# Altium PCB orbital-r1.PcbDoc (part 2 of 3) (continued)
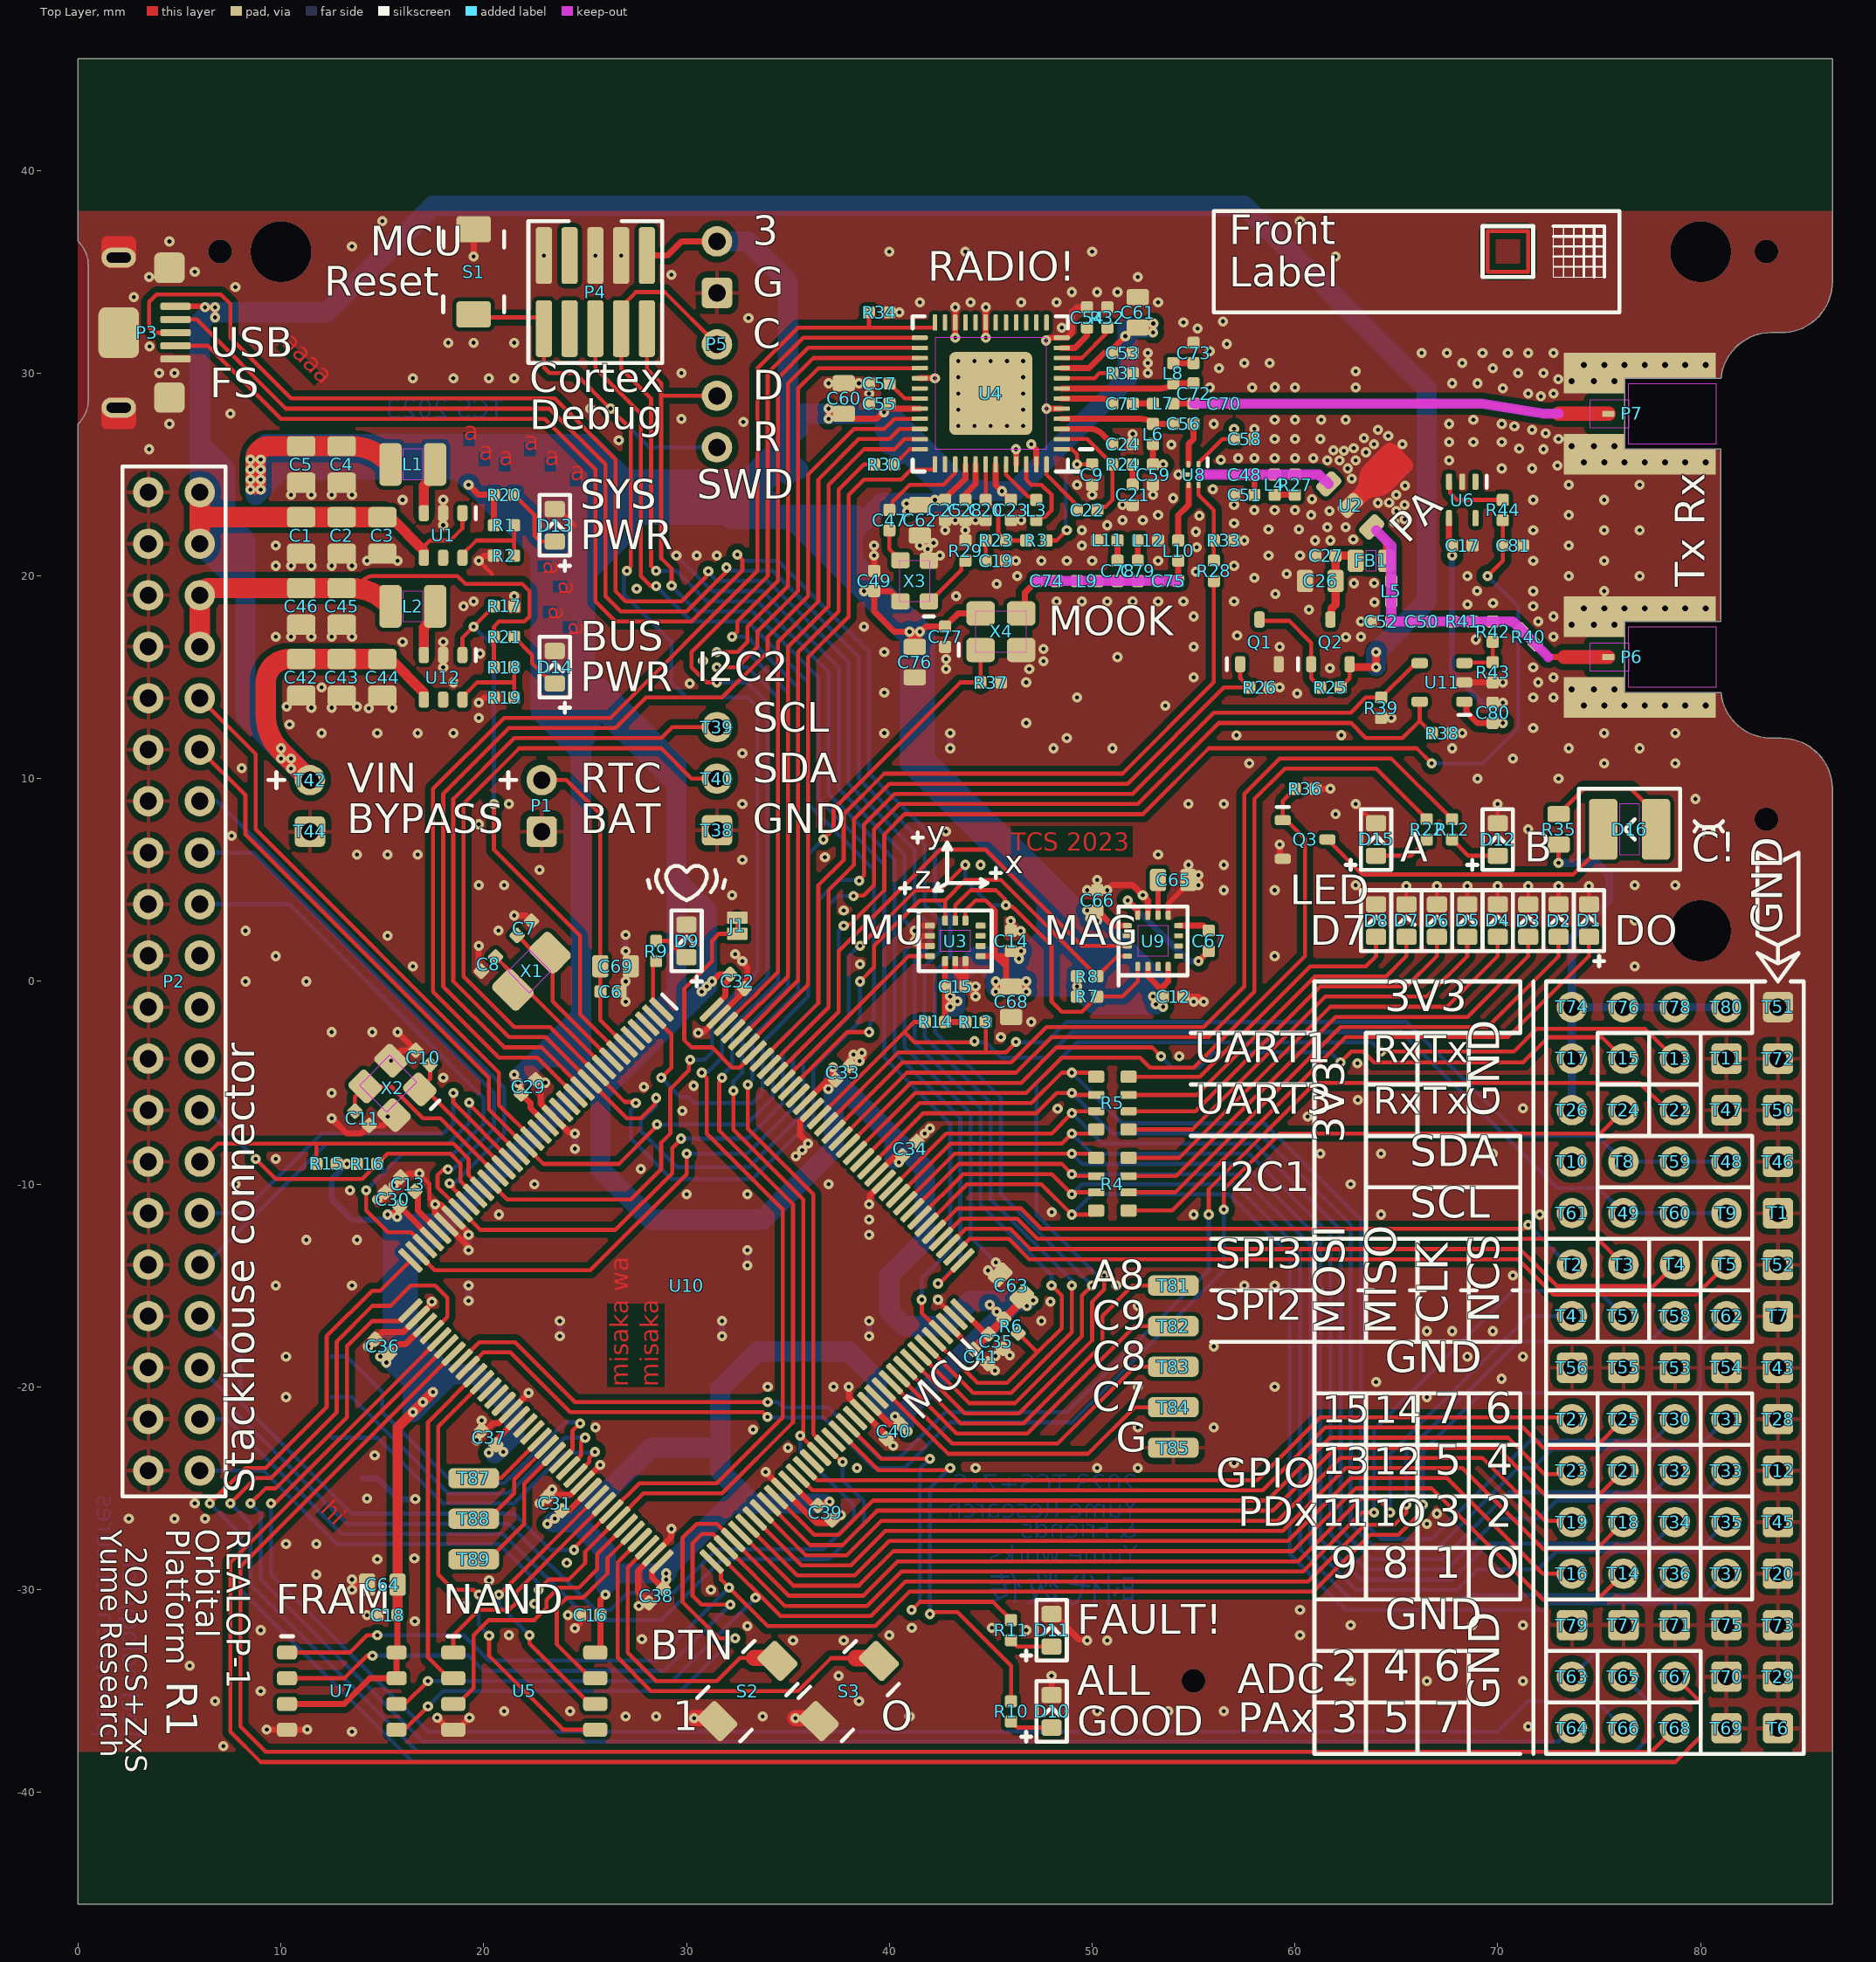
[diagram p0: Top Layer view]
## Nets (pads, with @x,y where several pads share a name; then routed paths per layer and width w, separated by ;. In a path a pad name is that pad's centre, name@x,y a point inside that pad or via, vN(x,y) a via of type N, cw(c..) or ccw(c..) an arc to the next point about the centre after c; other vN are vias at no path point) (continued)
GPIO-D6: R5.6 T31.1 U10.122 | length 65.6
  Top Layer w0.2: U10.122@39.016,-9.166 41.682,-6.5 47.25,-6.5 48.25,-5.5 v1(49,-5.5) 49.1,-5.6 R5.6@50.2,-5.6
  Bottom Layer w0.2: v1(49,-5.5) 51,-7.5 58.25,-7.5 62.75,-12 62.75,-25.25 62.75,-26.75 64,-28 67,-28 67.25,-27.75 71,-24 71.75,-24 72.7,-23.05 79.82,-23.05 T31.1@81.28,-21.59
GPIO-D7: R5.5 T30.1 U10.123 | length 63.8
  Top Layer w0.2: U10.123@38.662,-8.813 41.475,-6 47,-6 48.5,-4.5 v1(49,-4.5) 50,-4.5 R5.5@50.2,-4.7
  Bottom Layer w0.2: v1(49,-4.5) 51.5,-7 58.5,-7 63.25,-11.75 63.25,-26.5 64.25,-27.5 66.75,-27.5 71.6,-22.65 77.68,-22.65 T30.1@78.74,-21.59
GPIO-D8: T14.1 U10.77 | length 49.4
  Top Layer w0.2: U10.77@32.652,-27.198 35.254,-29.8 38.5,-29.8 40.2,-28.1 59.9,-28.1 63,-25 66.75,-25 72.25,-30.5 74.91,-30.5 75.61,-29.8 T14.1@76.2,-29.21
GPIO-D9: T16.1 U10.78 | length 45.6
  Top Layer w0.2: U10.78@33.005,-26.844 35.461,-29.3 38.3,-29.3 40,-27.6 59.65,-27.6 62.75,-24.5 67.5,-24.5 72.21,-29.21 T16.1@73.66,-29.21
GPIO-D10: T18.1 U10.79 | length 48
  Top Layer w0.2: U10.79@33.359,-26.49 35.668,-28.8 38.1,-28.8 39.8,-27.1 59.4,-27.1 62.5,-24 68.25,-24 72.25,-28 74.87,-28 T18.1@76.2,-26.67
GPIO-D11: T19.1 U10.80 | length 44.1
  Top Layer w0.2: U10.80@33.712,-26.137 35.875,-28.3 37.9,-28.3 39.6,-26.6 59.15,-26.6 62.25,-23.5 69.25,-23.5 72.35,-26.6 73.59,-26.6 T19.1@73.66,-26.67
GPIO-D12: T21.1 U10.81 | length 46.5
  Top Layer w0.2: U10.81@34.066,-25.783 36.082,-27.8 37.7,-27.8 39.4,-26.1 58.9,-26.1 62,-23 70,-23 72.4,-25.4 74.93,-25.4 T21.1@76.2,-24.13
GPIO-D13: T23.1 U10.82 | length 42.8
  Top Layer w0.2: U10.82@34.419,-25.43 36.29,-27.3 37.5,-27.3 39.2,-25.6 58.65,-25.6 61.75,-22.5 70.5,-22.5 72.3,-24.3 73.49,-24.3 T23.1@73.66,-24.13
GPIO-D14: T25.1 U10.85 | length 43.3
  Top Layer w0.2: U10.85@35.48,-24.369 36.211,-25.1 58.4,-25.1 61.5,-22 71.25,-22 72.25,-23 74.79,-23 T25.1@76.2,-21.59
GPIO-D15: T27.1 U10.86 | length 39.4
  Top Layer w0.2: U10.86@35.834,-24.016 36.418,-24.6 58.15,-24.6 61.25,-21.5 73.57,-21.5 T27.1@73.66,-21.59
GPIO-FAULT: R11.1 U10.92 | length 18
  Top Layer w0.2: U10.92@37.955,-21.894 39.611,-23.55 v1(42,-23.55) ; v1(41.1,-31) 41.117,-31 41.517,-30.6 45.1,-30.6 R11.1@46,-31.5
  Bottom Layer w0.2: v1(41.1,-31) 41.5,-30.6 41.5,-24.05 v1(42,-23.55)
GPIO-HEARTBEAT: R9.1 U10.1 | length 2.6
  Top Layer w0.2: R9.1@28.5,1 28.348,0.848 28.348,-0.973 U10.1@28.763,-1.388
GPIO-LEDA: R22.1 U10.126 | length 43.1
  Top Layer w0.2: U10.126@37.601,-7.752 40.854,-4.5 46.25,-4.5 48,-2.75 55.75,-2.75 58,-0.5 58,9 59.5,10.5 64,10.5 R22.1@66.5,8
GPIO-LEDB: R12.1 U10.127 | length 44.9
  Top Layer w0.2: U10.127@37.248,-7.399 40.646,-4 46,-4 47.75,-2.25 55.5,-2.25 57.5,-0.25 57.5,9.25 59.25,11 64.75,11 R12.1@67.75,8
GPIO-LEDC: Q3.1 R36.1 U10.124 | length 35.3
  Top Layer w0.2: U10.124@38.308,-8.459 41.268,-5.5 46.75,-5.5 48.5,-3.75 52.35,-3.75 52.85,-4.25 55,-4.25 60.5,1.25 60.5,7.028 Q3.1@59.706,7.822 ; Q3.1@59.4,7.95 59.4,8.9 R36.1@60,9.5
GPIO-VIN: C1.2 C2.2 C3.2 C42.2 C43.2 C44.2 P2.1 P2.3 P3.1 Q2.2 R25.1 T42.1 U1.1 U1.4 U12.4 | length 158
  Top Layer w0.2: U1.4@17.05,20.9 17.05,21.25 17.05,21.45 17.35,21.75 18.35,21.75 18.95,22.35 U1.1@18.95,23.1 ; R25.1@62.25,14.5 62.7,14.95 62.7,15.55 Q2.2@62.7,15.65
  Top Layer w0.3: P3.1@4.8,33.301 6.199,33.301 v1(6.25,33.25) v1(6.75,33.25) v1(6.75,32.75)
  Top Layer w0.4: Q2.2@62.7,15.55 62.75,15.5 v1(64,15.5) v1(64,16.25)
  Top Layer w0.5: C3.2@15,22.9 15.4,22.9 U1.4@17.05,21.25 ; C44.2@15.4,15.9 U12.4@17.05,14.25
  Top Layer w1: P2.3@6,21.59 6,22.9 ; P2.1@6,24.13 6,22.9 ; T42.1@11.43,9.93 10.18,11.18 9.994,11.366 cw(c11.79,13.162) 9.25,13.162 9.25,14.75 cw(c10.4,14.75) 10.4,15.9 C42.2@11,15.9 C44.2@15,15.9 ; C3.2@15,22.9 C2.2@13,22.9 C1.2@11,22.9 6,22.9
  Bottom Layer w1: T42.1@11.43,9.93 10.68,10.68 8.25,13.11 8.25,19.34 ; v1@64,15.549 v1(64,16.25) 66.5,18.75 66.5,29.25 57.5,38.25 17.5,38.25 12.25,33 6.5,33 6,32.5 6,26.5 ; 6,26.5 6.875,25.625 ; 6,26.5 P2.1@6,24.13 P2.3@6,21.59 8.25,19.34 ; 6.875,25.625 6.875,21.875 8.25,20.5 ; 6.875,25.625 7.25,25.25 7.25,22.75 8.25,21.75 8.25,20.5 ; 8.25,19.34 8.25,20.5
  other v1: 10.5,10.5 10,11 10.5,11 10,11.5
I2C1-SCL: R14.2 T9.1 T49.1 T60.1 U10.129 | length 52.5
  Top Layer w0.2: U10.129@36.541,-6.691 40.741,-2.491 ; R14.2@41.75,-2 41.232,-2 40.741,-2.491 ; v1(44.2,-2.95) 44.2,-3 41.25,-3 40.741,-2.491
  Bottom Layer w0.2: v1(44.2,-2.95) 44.25,-3 44.75,-3 45.5,-3.75 47.75,-3.75 49,-2.5 65.25,-2.5 72.95,-10.2 74.97,-10.2 T49.1@76.2,-11.43 T60.1@78.74,-11.43 T9.1@81.28,-11.43
I2C1-SDA: R13.2 T8.1 T48.1 T59.1 U10.128 | length 50.9
  Top Layer w0.2: U10.128@36.894,-7.045 40.439,-3.5 44.75,-3.5 ; R13.2@44.75,-2 44.75,-3.5 ; v1(46.236,-2.986) 46.25,-3 45.75,-3.5 44.75,-3.5
  Bottom Layer w0.2: v1(46.236,-2.986) 46.25,-3 47.75,-3 48.75,-2 65.5,-2 71.1,-7.6 74.91,-7.6 T8.1@76.2,-8.89 T59.1@78.74,-8.89 T48.1@81.28,-8.89
I2C2-SCL: R7.2 T39.1 U3.13 U9.1 U10.11 | length 83.8
  Top Layer w0.2: v1(28.5,-5.75) 28.443,-5.807 28.443,-6.057 27.75,-6.75 27.053,-6.75 U10.11@25.227,-4.924 23.053,-2.75 21.25,-2.75 18.5,0 18.5,9 21.5,12 28.75,12 29.29,12.54 T39.1@31.5,12.54 ; v1(38.55,1.75) 41.3,4.5 42.5,4.5 v1(43.75,5.75) ; U3.13@43.25,3 43.25,3.75 44,4.5 45.25,4.5 45.693,4.057 45.693,3.807 45.807,3.693 46.057,3.693 46.214,3.536 48,1.75 48,-1 48.5,-1.5 49.5,-1.5 R7.2@50.25,-0.75 51.5,-0.75 52.25,0 U9.1@52.25,0.737
  Bottom Layer w0.2: v1(28.5,-5.75) 28.493,-5.757 28.493,-6.121 27.75,-6.863 27.75,-7.381 29.527,-9.158 33.092,-9.158 35.75,-6.5 35.75,-4 38,-1.75 38,1.25 38.5,1.75 v1(38.55,1.75) ; v1(43.75,5.75) 43.75,5 44.445,4.305 45,3.75 v1(45.75,3.75)
I2C2-SDA: R8.2 T40.1 U3.14 U9.16 U10.10 | length 73.8
  Top Layer w0.2: v1(27.5,-6) 27.443,-5.943 26.953,-5.943 U10.10@25.581,-4.57 23.26,-2.25 21.5,-2.25 19,0.25 19,8.75 21.75,11.5 28.75,11.5 30.25,10 T40.1@31.5,10 ; v1(38.55,0) 39.25,0.7 39.25,1.75 41.5,4 42.75,4 ; U3.14@42.75,3 42.75,4 ; U9.16@51.737,1.25 51.25,1.25 R8.2@50.25,0.25 45.5,5 43.75,5 42.75,4
  Bottom Layer w0.2: v1@27.55,-6.05 v1(27.5,-6) 27.5,-6.081 27.25,-6.331 27.25,-7.75 29.25,-9.75 33.25,-9.75 36.25,-6.75 36.25,-4.25 38.55,-1.95 v1(38.55,0)
I2C3-SCL: P2.27 R15.2 U10.26 | length 16.7
  Top Layer w0.2: P2.27@6,-8.89 6.89,-8 11.75,-8 ; R15.2@11.75,-9 11.75,-8 ; U10.26@19.924,-10.227 19.25,-9.553 19.25,-8.75 18.5,-8 11.75,-8
I2C3-SDA: P2.25 R16.2 U10.27 | length 16.9
  Top Layer w0.2: v1(8.75,-8.75) 9.75,-9.75 14,-9.75 R16.2@14.75,-9 15.25,-8.5 18.35,-8.5 18.85,-9 18.85,-9.86 U10.27@19.57,-10.581
  Bottom Layer w0.2: P2.25@6,-6.35 6.35,-6.35 v1(8.75,-8.75)
IBUS-INT0: P2.29 U10.22 | length 20.3
  Top Layer w0.2: v1(18.5,-5.5) 18.5,-5.975 U10.22@21.338,-8.813
  Bottom Layer w0.2: P2.29@6,-11.43 8.07,-11.43 12,-7.5 18,-7.5 18.5,-7 v1(18.5,-5.5)
IMU-INT0: U3.4 U10.134 | length 9.8
  Top Layer w0.2: U10.134@34.773,-4.924 38.5,-1.197 40.947,1.25 U3.4@42,1.25
MAG-DRDY: U9.15 U10.135 | length 25.6
  Top Layer w0.2: U10.135@34.419,-4.57 37.5,-1.49 37.5,1.5 42.5,6.5 44.75,6.5 49.5,1.75 U9.15@51.737,1.75
MCUDBG-CLK: P4.9 P5.3 U10.109 | length 65.4
  Top Layer w0.2: v1(28.5,20.25) 28.25,20.5 28.25,28.75 26.77,30.23 P4.9@26.77,32.2 26.77,33.27 27.5,34 28.92,34 P5.3@31.5,31.42 ; v1(42.4,-14.9) 42.474,-14.9 U10.109@43.612,-13.763
  Bottom Layer w0.2: v1(28.5,20.25) 29.5,20.25 31,18.75 33.5,18.75 37,15.25 37,9.25 40.25,6 40.25,-3.5 43.5,-6.75 43.5,-13.8 v1(42.4,-14.9)
MCUDBG-DIO: P4.10 P5.4 U10.105 | length 61
  Top Layer w0.2: P4.10@28.04,32.2 28.04,30.21 28.75,29.5 28.75,28.88 ; v1(29.264,19.514) 29.264,20.351 28.75,20.865 28.75,28.88 ; P5.4@31.5,28.88 28.75,28.88 ; v1(41.6,-15.7) 41.6,-16.347 U10.105@42.551,-17.298
  Bottom Layer w0.2: v1(29.264,19.514) 29.25,19.5 30.5,18.25 33.25,18.25 36.5,15 36.5,9 39.75,5.75 39.75,-3.75 43,-7 43,-13.25 41.6,-14.65 v1(41.6,-15.7)
MCUDBG-NRST: P4.6 P5.5 S1.2 U10.25 | length 70.4
  Top Layer w0.2: S1.2@19.5,32.9 19.65,32.75 P4.6@23,32.75 ; U10.25@20.277,-9.873 21.154,-10.75 27.25,-10.75 28.75,-9.25 28.75,-7.947 29.202,-7.495 29.202,-6.73 29.2,-6.728 29.2,-6.272 29.202,-6.27 29.202,-5.297 30.117,-4.382 30.117,-3.919 v1(30.175,-3.861) ; P4.6@22.96,32.2 22.96,30.29 23.25,30 24.5,30 v1(26.25,28.25) 27.25,27.25 27.25,20.45 v1(27.05,20.25) ; P5.5@31.5,26.34 P5.5@31.91,26.34
  Bottom Layer w0.2: v1(26.25,28.25) 28.16,26.34 P5.5@31.5,26.34 ; v1(27.05,20.25) 27.05,20.169 26.901,20.02 26.901,19.099 29.25,16.75 29.25,14.75 30,14 33,14 33.493,13.507 33.493,0.493 31.25,-1.75 31.25,-3.5 30.889,-3.861 v1(30.175,-3.861)
MCUDBG-SWO: P4.8 U10.133 | length 47.3
  Top Layer w0.2: P4.8@25.5,32.2 25.5,30.25 27.75,28 27.75,20 28.25,19.5 v1(28.5,19.5) ; U10.133@35.127,-5.277 37.904,-2.5 v1(39,-2.5)
  Bottom Layer w0.2: v1(28.5,19.5) 30.25,17.75 33,17.75 36,14.75 36,8.75 39.25,5.5 39.25,-1.85 39.057,-2.043 39.057,-2.443 v1(39,-2.5)
NetC6_2: C6.2 C69.2 P1.1 U10.6 | length 15.5
  Top Layer w0.2: P1.1@22.86,9.93 24.07,9.93 25.75,8.25 C69.2@25.75,0.75 C6.2@25.75,-0.5 25.75,-1.911 U10.6@26.995,-3.156
NetC7_2: C7.2 U10.8 X1.1 | length 7.7
  Top Layer w0.2: C7.2@21.646,2.268 22.495,1.419 X1.1@23.273,1.419 ; X1.1@23.398,0.662 23.398,-0.973 U10.8@26.288,-3.863
NetC8_2: C8.2 U10.9 X1.2 | length 8.1
  Top Layer w0.2: C8.2@20.586,1.207 21.434,0.359 X1.2@21.434,-0.419 22.137,-0.419 U10.9@25.934,-4.217
NetC9_1: C9.1 R3.1 U4.1 | length 6.8
  Top Layer w0.2: R3.1@47.75,21.75 48.25,21.75 v1(48.75,22.25) ; U4.1@48.5,26.25 49,26.25 49.25,26 v1(49.25,25.5) C9.1@50,25.5
  Bottom Layer w0.2: v1(48.75,22.25) 48.7,22.3 48.7,24.978 49.222,25.5 v1(49.25,25.5)
NetC10_2: C10.2 U10.23 X2.1 | length 7.2
  Top Layer w0.2: C10.2@17.354,-4.104 17.354,-4.811 X2.1@16.844,-5.321 17.139,-5.321 U10.23@20.984,-9.166
NetC11_2: C11.2 U10.24 X2.3 | length 9.7
  Top Layer w0.2: C11.2@13.646,-6.396 13.646,-5.689 X2.3@14.156,-5.179 15.429,-5.179 17,-6.75 17.861,-6.75 U10.24@20.631,-9.52
NetC13_1: C13.1 U10.32 | length 2.5
  Top Layer w0.2: C13.1@16.604,-10.354 16.677,-10.427 C13.1@16.75,-10.5
  Top Layer w0.3: C13.1@16.75,-10.5 16.75,-11.296 U10.32@17.802,-12.348
NetC19_1: C19.1 R23.1 | length 1
  Top Layer w0.2: C19.1@44.75,20.75 R23.1@44.75,21.75
NetC20_1: C20.1 R3.2 R23.2 U4.42 | length 5.2
  Top Layer w0.2: U4.42@44.75,25.5 C20.1@44.75,23.75 45.369,23.131 45.369,22.131 R23.2@45.75,21.75 R3.2@46.75,21.75
NetC21_1: C21.1 R24.1 | length 1
  Top Layer w0.3: C21.1@52,24.5 R24.1@52,25.5
NetC22_1: C22.1 U4.48 | length 2.9
  Top Layer w0.2: U4.48@47.75,25.5 47.751,25.499 47.751,24.999 49.094,23.656 49.094,23.406 C22.1@49.25,23.25
NetC22_2: C22.2 R24.2 U4.2 | length 5.7
  Top Layer w0.2: U4.2@48.5,26.75 49.75,26.75 R24.2@51,25.5 51,23.75 50.656,23.406 50.406,23.406 C22.2@50.25,23.25
NetC24_1: C24.1 U4.3 | length 2.8
  Top Layer w0.3: U4.3@48.5,27.25 49.896,27.25 cw(c49.896,26.396) 50.5,27 C24.1@51,26.5
NetC26_2: C26.2 C27.2 FB1.2 Q2.3 | length 4.4
  Top Layer w0.4: Q2.3@61.75,17.85 61.8,17.9 61.8,18.4 62,18.6 C26.2@62,19.75 C27.2@62,21 62.8,21 63,20.8 FB1.2@63,20.75
NetC28_2: C28.2 U4.41 | length 1.7
  Top Layer w0.3: C28.2@43.747,24.039 44.25,24.541 U4.41@44.25,25.5
NetC47_1: C47.1 U4.39 | length 4.7
  Top Layer w0.2: C47.1@40,23.132 40.156,23.288 40.156,23.656 41,24.5 42.667,24.5 43.24,25.073 43.24,25.49 U4.39@43.25,25.5
NetC47_2: C47.2 X3.3 | length 1.6
  Top Layer w0.2: C47.2@40,22.123 40,21.325 40.2,21.125 40.2,21.097 40.522,20.775 X3.3@40.55,20.775
NetC48_1: C48.1 U8.6 | length 1.3
  Top Layer w0.3: 55.75,25 C48.1@57,25
NetC48_2: C48.2 C51.1 L4.2 | length 2
  Top Layer w0.3: C51.1@58,24 C48.2@58,25 L4.2@59,25
NetC50_1: C50.1 C52.1 L5.1 | length 2
  Top Layer w0.3: L5.1@64.75,18.75 C52.1@64.75,17.75 C50.1@65.75,17.75
NetC50_2: C50.2 R41.1 | length 1
  Top Layer w0.3: C50.2@66.75,17.75 R41.1@67.75,17.75
NetC54_2: C54.2 U4.11 | length 1.9
  Top Layer w0.3: U4.11@48.5,31.25 49.15,31.25 49.75,31.85 C54.2@49.75,32.25
NetC56_1: C56.1 L6.1 U4.4 | length 5.8
  Top Layer w0.3: U4.4@48.5,27.75 52.396,27.75 cw(c52.396,26.896) L6.1@53,27.5 ; L6.1@52.85,27.65 L6.1@53,27.5 ; C56.1@54,27.5 L6.1@53,27.5
NetC56_2: C56.2 U8.2 | length 2.1
  Top Layer w0.3: U8.2@54.75,25.5 54.75,26.5 55,26.75 C56.2@55,27.5
NetC57_2: C57.2 U4.31 | length 1.8
  Top Layer w0.2: C57.2@40,29.5 40.75,28.75 U4.31@41.5,28.75
NetC65_1: C65.1 U9.10 | length 1.7
  Top Layer w0.25: U9.10@53.25,3.263 C65.1@53.25,5
NetC67_1: C67.1 U9.12 | length 6.4
  Top Layer w0.3: v1(51.75,4) 52.25,3.5 U9.12@52.25,3.263 ; v1(55.25,1) C67.1@55.75,1.5
  Bottom Layer w0.3: v1(51.75,4) 54.75,1 v1(55.25,1)
NetC67_2: C67.2 U9.8 | length 1.6
  Top Layer w0.3: U9.8@54.263,2.75 55.5,2.75 C67.2@55.75,2.5
NetC70_1: C70.1 P7.1 | length 18.7
  Top Layer w0.3: C70.1@57,28.5 69.225,28.5 cw(c69.225,28.2) 69.274,28.496 72.226,28.004 ; 72.275,28 cw(c72.275,28.3) 72.226,28.004 ; 73,28 73,28.004 72.226,28.004 ; P7.1@75.3,28 P7.1@75.45,28
  Top Layer w0.7: 73,28 P7.1@75.475,28
NetC70_2: C70.2 C72.1 L7.2 | length 2
  Top Layer w0.3: L7.2@54,28.5 54.85,28.5 C72.1@55,28.5 55.15,28.5 C70.2@56,28.5
NetC71_1: C71.1 L7.1 | length 1
  Top Layer w0.3: C71.1@52,28.5 L7.1@53,28.5
NetC71_2: C71.2 U4.6 | length 2.6
  Top Layer w0.3: U4.6@48.5,28.75 50.396,28.75 cw(c50.396,27.896) C71.2@51,28.5
NetC72_2: C72.2 L8.2 U4.7 | length 6.6
  Top Layer w0.3: U4.7@48.5,29.25 53.396,29.25 ccw(c53.396,30.104) L8.2@54,29.5 54.15,29.5 C72.2@55,29.5
NetC73_2: C73.2 L8.1 | length 1
  Top Layer w0.3: L8.1@54,30.5 C73.2@55,30.5
NetC74_1: C74.1 L9.1 | length 1
  Top Layer w0.3: C74.1@48.25,19.75 L9.1@49.25,19.75
NetC74_2: C74.2 X4.3 | length 1.9
  Top Layer w0.3: X4.3@46.5,18.15 46.676,18.326 46.676,19.176 C74.2@47.25,19.75
NetC75_1: C75.1 L10.1 | length 1
  Top Layer w0.3: C75.1@54.25,19.75 L10.1@54.25,20.75
NetC75_2: C75.2 C78.1 C79.1 L9.2 | length 3
  Top Layer w0.3: L9.2@50.25,19.75 C75.2@53.25,19.75
NetC78_2: C78.2 L11.2 | length 1
  Top Layer w0.3: C78.2@51.25,20.75 L11.2@51.25,21.75
NetC79_2: C79.2 L12.2 | length 1
  Top Layer w0.3: C79.2@52.25,20.75 L12.2@52.25,21.75
NetD1_2: D1.2 R4.1 | length 28.8
  Top Layer w0.2: R4.1@51.8,-11.3 53.95,-11.3 62.5,-2.75 70.5,-2.75 74.5,1.25 D1.2@74.5,2.2
NetD2_2: D2.2 R4.2 | length 27
  Top Layer w0.2: R4.2@51.8,-10.4 54.1,-10.4 62.25,-2.25 69.5,-2.25 73,1.25 D2.2@73,2.2
NetD3_2: D3.2 R4.3 | length 25.1
  Top Layer w0.2: R4.3@51.8,-9.6 54.15,-9.6 62,-1.75 68.5,-1.75 71.5,1.25 D3.2@71.5,2.2
NetD4_2: D4.2 R4.4 | length 23.3
  Top Layer w0.2: R4.4@51.8,-8.7 54.3,-8.7 61.75,-1.25 67.5,-1.25 70,1.25 D4.2@70,2.2
NetD5_2: D5.2 R5.1 | length 21.2
  Top Layer w0.2: R5.1@51.8,-7.3 54.95,-7.3 61.5,-0.75 66.5,-0.75 68.5,1.25 D5.2@68.5,2.2
NetD6_2: D6.2 R5.2 | length 19.3
  Top Layer w0.2: R5.2@51.8,-6.4 55.1,-6.4 61.25,-0.25 65.5,-0.25 67,1.25 D6.2@67,2.2
NetD7_2: D7.2 R5.3 | length 17.5
  Top Layer w0.2: R5.3@51.8,-5.6 55.15,-5.6 61,0.25 64.5,0.25 65.5,1.25 D7.2@65.5,2.2
NetD8_2: D8.2 R5.4 | length 15.6
  Top Layer w0.2: R5.4@51.8,-4.7 55.3,-4.7 60.75,0.75 63.5,0.75 64,1.25 D8.2@64,2.2
NetD9_2: D9.2 R9.2 | length 1.8
  Top Layer w0.2: R9.2@28.5,2 29.099,2 29.899,1.2 D9.2@30,1.2
NetD10_2: D10.2 R10.2 | length 2.1
  Top Layer w0.2: R10.2@46,-36.5 46.3,-36.8 D10.2@48,-36.8
NetD11_2: D11.2 R11.2 | length 2.1
  Top Layer w0.2: R11.2@46,-32.5 46.3,-32.8 D11.2@48,-32.8
NetD12_2: D12.2 R12.2 | length 3
  Top Layer w0.2: R12.2@67.75,7 68.55,6.2 D12.2@70,6.2 D12.2@69.7,6.5
NetD13_2: D13.2 R20.2 | length 3.5
  Top Layer w0.2: R20.2@21.5,24 22.5,23 22.5,22 22.8,21.7 D13.2@23.5,21.7
NetD14_2: D14.2 R21.2 | length 3.2
  Top Layer w0.2: R21.2@21.5,16.988 22.389,16.1 22.389,15.697 23.386,14.7 D14.2@23.5,14.7
NetD15_2: D15.2 R22.2 | length 2.8
  Top Layer w0.2: D15.2@64,6.2 65.7,6.2 R22.2@66.5,7
NetD16_1: D16.1 Q3.3 | length 14.2
  Top Layer w0.2: Q3.3@61.6,7 63.323,5.277 73.726,5.277 D16.1@74.712,6.263
NetD16_2: D16.2 R35.1 | length 5
  Top Layer w0.2: R35.1@73,8.25 74.25,9.5 76.571,9.5 D16.2@77.205,8.866
NetFB1_1: FB1.1 L5.2 U2.3 | length 3.1
  Top Layer w0.3: U2.3@63.788,22.417 64.5,21.704 FB1.1@64.5,20.75 64.625,20.625 64.625,19.875 L5.2@64.75,19.75
NetJ1_1: J1.1 U10.138 | length 11.2
  Top Layer w0.2: J1.1@32.5,2.35 31.6,2.35 31.25,2 31.25,1 29.889,-0.361 29.889,-2.889 30.25,-3.25 31.25,-3.25 32.25,-4.25 32.618,-4.25 U10.138@33.359,-3.51
NetL1_2: L1.2 U1.3 | length 1.6
  Top Layer w0.5: U1.3@17.05,23.1 17.05,24.448 L1.2@17.214,24.612
NetL2_2: L2.2 U12.3 | length 1.6
  Top Layer w0.5: U12.3@17.05,16.1 17.05,17.448 L2.2@17.214,17.612
NetL3_1: L3.1 U4.44 | length 2.5
  Top Layer w0.2: U4.44@45.75,25.5 45.75,25 46.844,23.906 47.094,23.906 L3.1@47.25,23.75
NetL3_2: L3.2 U4.46 | length 4
  Top Layer w0.2: U4.46@46.75,25.5 46.75,24.75 47,24.5 47.5,24.5 48,24 48,23.25 47.656,22.906 47.406,22.906 L3.2@47.25,22.75
NetL4_1: L4.1 R27.2 | length 1
  Top Layer w0.3: L4.1@59,24 R27.2@60,24
NetL10_2: L10.2 U8.4 | length 3
  Top Layer w0.3: L10.2@54.25,21.75 54.25,23 54.75,23.5 U8.4@54.75,24.5
NetP6_1: P6.1 R40.2 | length 3.8
  Top Layer w0.3: R40.2@71.854,16.646 72.5,16 73.25,16
  Top Layer w0.7: 73.275,16 P6.1@75.45,16
NetQ1_3: Q1.3 Q2.1 R25.2 | length 5.4
  Top Layer w0.2: Q1.3@58.25,17.85 58.314,17.787 59.713,17.787 60.8,16.7 Q2.1@60.8,15.65 60.8,14.95 R25.2@61.25,14.5
NetR1_1: R1.1 R2.1 U1.6 | length 4.5
  Top Layer w0.2: U1.6@18.95,20.9 18.95,21.061 19.639,21.75 21.5,21.75 ; R2.1@21.5,21 21.5,21.75 ; R1.1@21.5,22.5 21.5,21.75
NetR17_1: R17.1 U10.7 U12.1 | length 27
  Top Layer w0.2: U12.1@18.95,16.1 18.95,16.95 R17.1@20.5,18.5 ; v1(20.5,8.75) 20.5,6.5 20.534,6.466 24.75,2.25 24.75,-1.618 U10.7@26.641,-3.51
  Bottom Layer w0.2: v1(19.5,17.5) 20.5,16.5 v1(20.5,8.75)
NetR18_1: R18.1 R19.1 U12.6 | length 4.5
  Top Layer w0.2: U12.6@18.95,13.9 18.95,14.027 19.673,14.75 21.5,14.75 ; R19.1@21.5,14 21.5,14.75 ; R18.1@21.5,15.5 21.5,14.75
NetR27_1: R27.1 U2.1 | length 1.9
  Top Layer w0.3: R27.1@60,25 61.175,25 61.637,24.538 U2.1@61.667,24.538
NetR28_2: R28.2 R33.1 U8.5 | length 4.1
  Top Layer w0.2: U8.5@55.25,24.5 55.25,24 56,23.25 R33.1@56,21.75 R28.2@56,20.75
NetR29_1: R29.1 X3.1 | length 2.8
  Top Layer w0.2: X3.1@41.95,18.75 42,18.75 43.553,20.303 43.553,20.553 R29.1@43.75,20.75
NetR30_1: R30.1 U4.36 | length 1.6
  Top Layer w0.2: R30.1@40.25,25.5 41,26.25 U4.36@41.5,26.25
NetR31_1: R31.1 U4.8 | length 2.6
  Top Layer w0.2: U4.8@48.5,29.75 50.114,29.75 50.364,30 R31.1@51,30
NetR32_1: R32.1 U4.10 | length 2.8
  Top Layer w0.2: U4.10@48.5,30.75 49.5,30.75 R32.1@50.75,32
NetR40_1: R40.1 R41.2 R42.1 | length 2.6
  Top Layer w0.3: R41.2@68.75,17.75 R42.1@69.75,17.75 70.75,17.75 R40.1@71.146,17.354
NetR42_2: R42.2 R43.1 U11.3 | length 2.4
  Top Layer w0.2: U11.3@68.35,15.7 68.375,15.725 69.725,15.725 R43.1@69.75,15.75 R42.2@69.75,16.75
NetR44_1: R44.1 U6.3 | length 3.3
  Top Layer w0.2: U6.3@67.6,24.65 67.65,24.6 67.65,24.1 68,23.75 R44.1@70.25,23.75
NetT81_1: T81.1 U10.100 | length 18
  Top Layer w0.2: U10.100@40.783,-19.066 43.517,-21.8 46.6,-21.8 50.5,-17.9 50.5,-16.5 52,-15 T81.1@54,-15
NetT82_1: T82.1 U10.99 | length 17
  Top Layer w0.2: U10.99@40.43,-19.419 43.31,-22.3 46.8,-22.3 52.1,-17 T82.1@54,-17
NetT83_1: T83.1 U10.98 | length 16.8
  Top Layer w0.2: U10.98@40.076,-19.773 43.103,-22.8 48.3,-22.8 52.1,-19 T83.1@54,-19
NetT84_1: T84.1 U10.97 | length 16.5
  Top Layer w0.2: U10.97@39.723,-20.127 42.296,-22.7 42.3,-22.7 42.9,-23.3 49.8,-23.3 52.1,-21 T84.1@54,-21
NetT87_1: T87.1 U10.55 | length 4
  Top Layer w0.2: T87.1@19.5,-24.5 20.854,-24.5 U10.55@22.752,-22.601
NetT88_1: T88.1 U10.56 | length 5.5
  Top Layer w0.2: T88.1@19.5,-26.5 20.25,-26.5 21.5,-25.25 21.5,-24.561 U10.56@23.106,-22.955
NetT89_1: T89.1 U10.57 | length 7.3
  Top Layer w0.2: T89.1@19.5,-28.5 20.25,-28.5 22,-26.75 22,-24.768 U10.57@23.459,-23.308
NetT90_1: T90.1 U10.58 | length 19
  Top Layer w0.2: U10.58@23.813,-23.662 24.374,-23.101 24.374,-22.176 v1(24.75,-21.8)
  Bottom Layer w0.2: T90.1@12.5,-18.5 13.25,-18.5 15,-20.25 15,-21.25 18.5,-24.75 21,-24.75 24,-21.75 24.75,-21.75 v1(24.75,-21.8)
NetT91_1: T91.1 U10.59 | length 17.5
  Top Layer w0.2: U10.59@24.166,-24.016 24.8,-23.382 24.8,-22.7 v1(25,-22.5)
  Bottom Layer w0.2: T91.1@12.5,-20.5 13.5,-20.5 18.25,-25.25 21.25,-25.25 24,-22.5 v1(25,-22.5)
NetT92_1: T92.1 U10.60 | length 17
  Top Layer w0.2: U10.60@24.52,-24.369 25.2,-23.689 25.2,-23.5 25.479,-23.221 v1(25.479,-23.201)
  Bottom Layer w0.2: T92.1@12.5,-22.5 14.75,-22.5 18,-25.75 21.5,-25.75 24,-23.25 25.479,-23.25 v1(25.479,-23.201)
QSPI-CLK: U5.6 U10.63 | length 14.3
  Top Layer w0.2: v1(20.75,-30.25) 20.76,-30.25 U10.63@25.581,-25.43 ; v1(22.25,-32.25) 22.25,-32.65 25.235,-35.635 U5.6@25.5,-35.635
  Bottom Layer w0.2: v1(20.75,-30.25) 20.75,-30.75 v1(22.25,-32.25)
QSPI-IO0: U5.5 U10.47 | length 22.8
  Top Layer w0.2: v1(19.75,-30.25) 19.5,-30 18.5,-30 17.75,-29.25 17.75,-21.947 U10.47@19.924,-19.773 ; v1(20.264,-32.264) 20.264,-33.264 23.905,-36.905 U5.5@25.5,-36.905
  Bottom Layer w0.2: v1(19.75,-30.25) 19.75,-31.75 20.25,-32.25 v1(20.264,-32.264)
QSPI-IO1: U5.2 U10.46 | length 16.6
  Top Layer w0.2: U5.2@18.5,-34.365 18.265,-34.365 17.25,-33.35 17.25,-21.74 U10.46@19.57,-19.419
QSPI-IO2: U5.3 U10.67 | length 14.3
  Top Layer w0.2: U5.3@18.5,-35.635 18.712,-35.635 19.5,-34.847 19.5,-32.25 20.25,-31.5 22.5,-31.5 23.1,-30.9 23.1,-30.5 23.7,-29.9 24.7,-29.9 25.6,-29 25.6,-28.239 U10.67@26.995,-26.844
QSPI-IO3: U5.7 U10.68 | length 10.1
  Top Layer w0.2: U5.7@25.5,-34.365 25.265,-34.365 23.6,-32.7 23.6,-30.9 24.1,-30.4 24.9,-30.4 26.1,-29.2 26.1,-28.446 U10.68@27.348,-27.198
QSPI-NCS: U5.1 U10.64 | length 11.3
  Top Layer w0.2: U5.1@18.5,-33.095 18.5,-32.25 19.75,-31 21.25,-31 21.6,-30.65 21.6,-30.117 24.7,-27.017 U10.64@25.934,-25.783
RADF-CE: R34.1 U4.24 U10.13 | length 60.2
  Top Layer w0.2: U10.13@24.52,-5.631 22.639,-3.75 20.75,-3.75 17.5,-0.5 17.5,9.5 21,13 26.25,13 33.5,20.25 33.5,30.25 35.5,32.25 39,32.25 ; R34.1@39,33 39,32.25 ; U4.24@42.25,32.5 42.25,32.26 42.24,32.25 39,32.25
RADF-CLKOUT: R30.2 U10.140 | length 31.3
  Top Layer w0.2: U10.140@32.652,-2.802 35.5,0.046 35.5,16.25 37.5,18.25 37.5,24.25 38.75,25.5 R30.2@39.25,25.5
RADF-MUX: U4.37 U10.139 | length 34.2
  Top Layer w0.2: U10.139@33.005,-3.156 36,-0.161 36,16 38,18 38,24 38.75,24.75 40.581,24.75 41.081,25.25 42.25,25.25 U4.37@42.25,25.5